# Altium PCB ElectroSketch.PcbDoc
Units mil, origin at the board's own origin, x right, y up, seen from the top; angles counter-clockwise.
Board outline 3937.01 x 2440.95 mil, 2 copper layers (Top Layer, Bottom Layer), stack 65.792 mil thick; 19 components, 24 nets, 101 pads, 20 vias.
Unrouted connection lines stored in the file: 1.
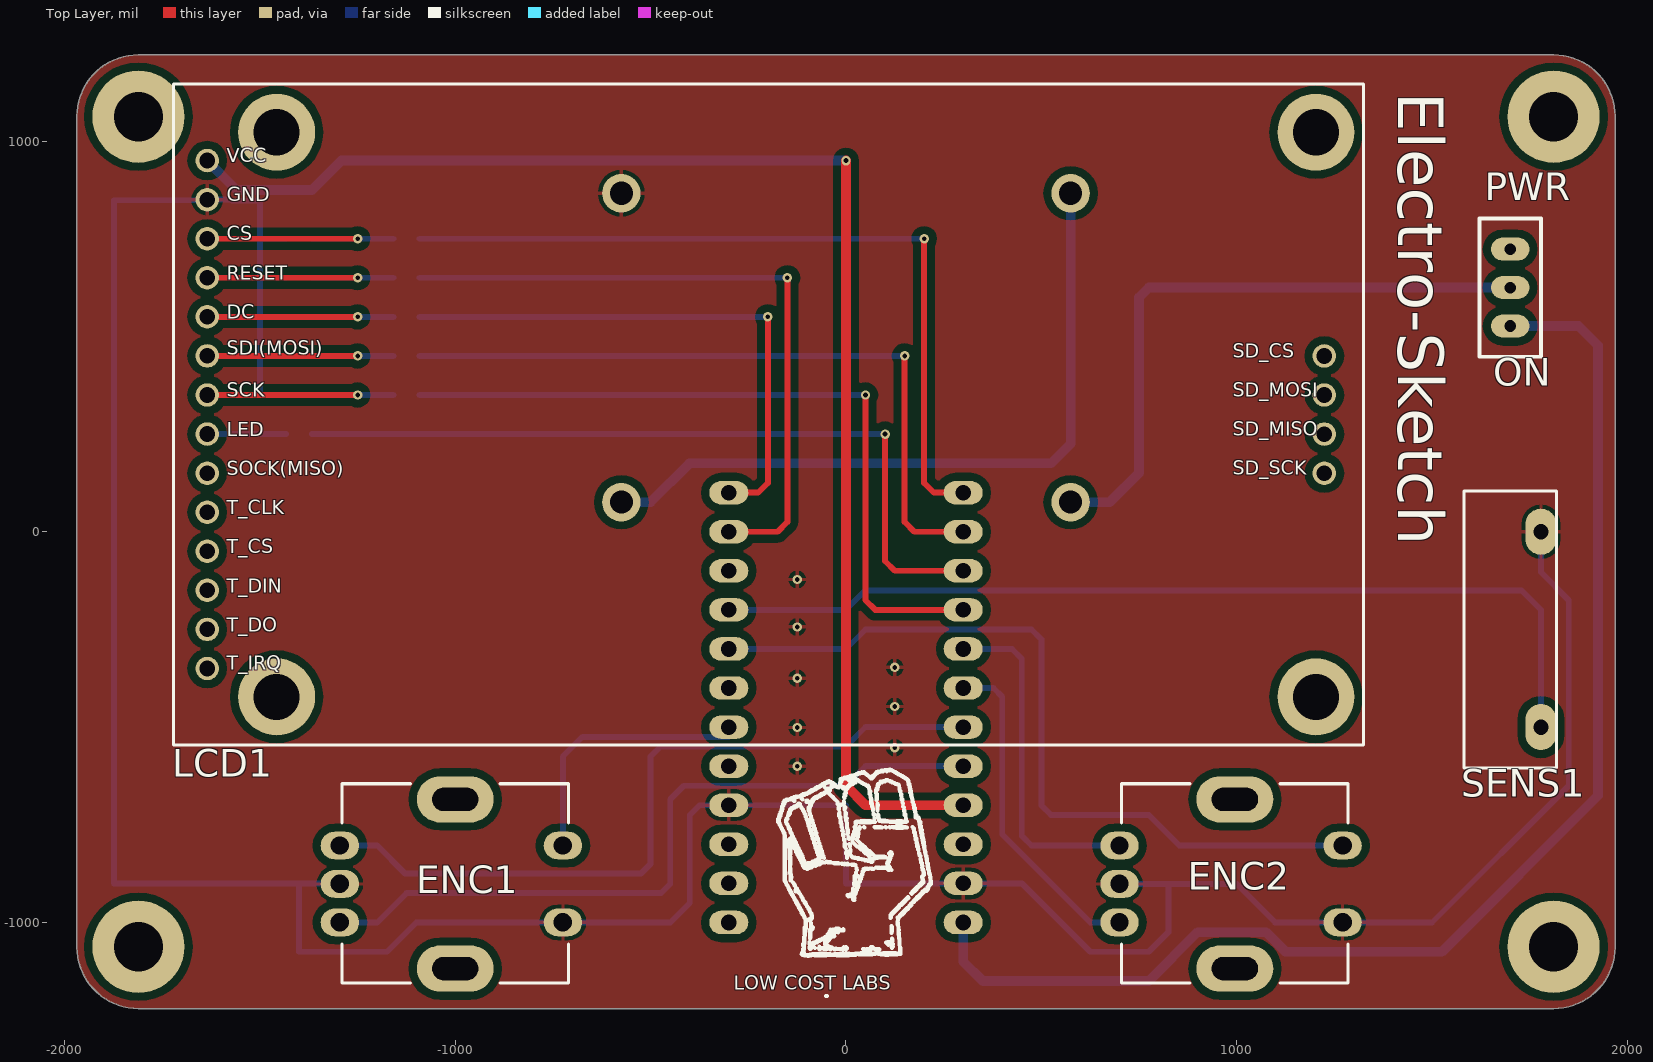
[diagram p0: Top Layer view]
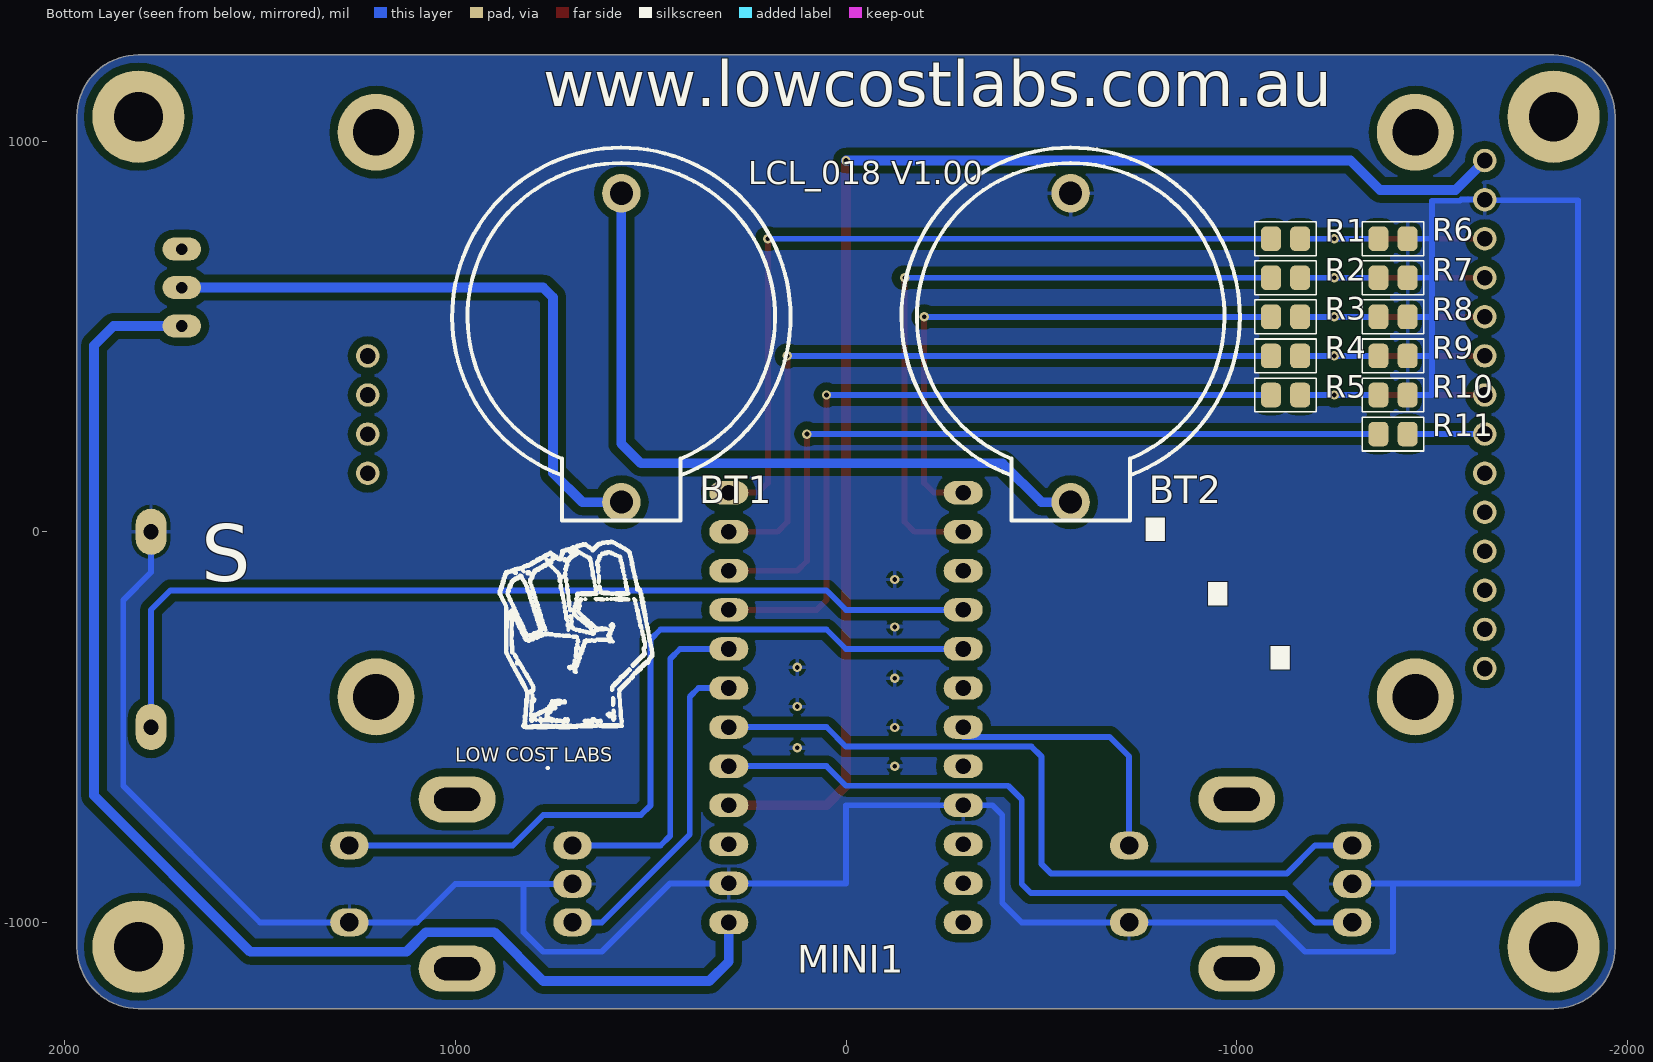
[diagram p1: Bottom Layer view, seen from below]
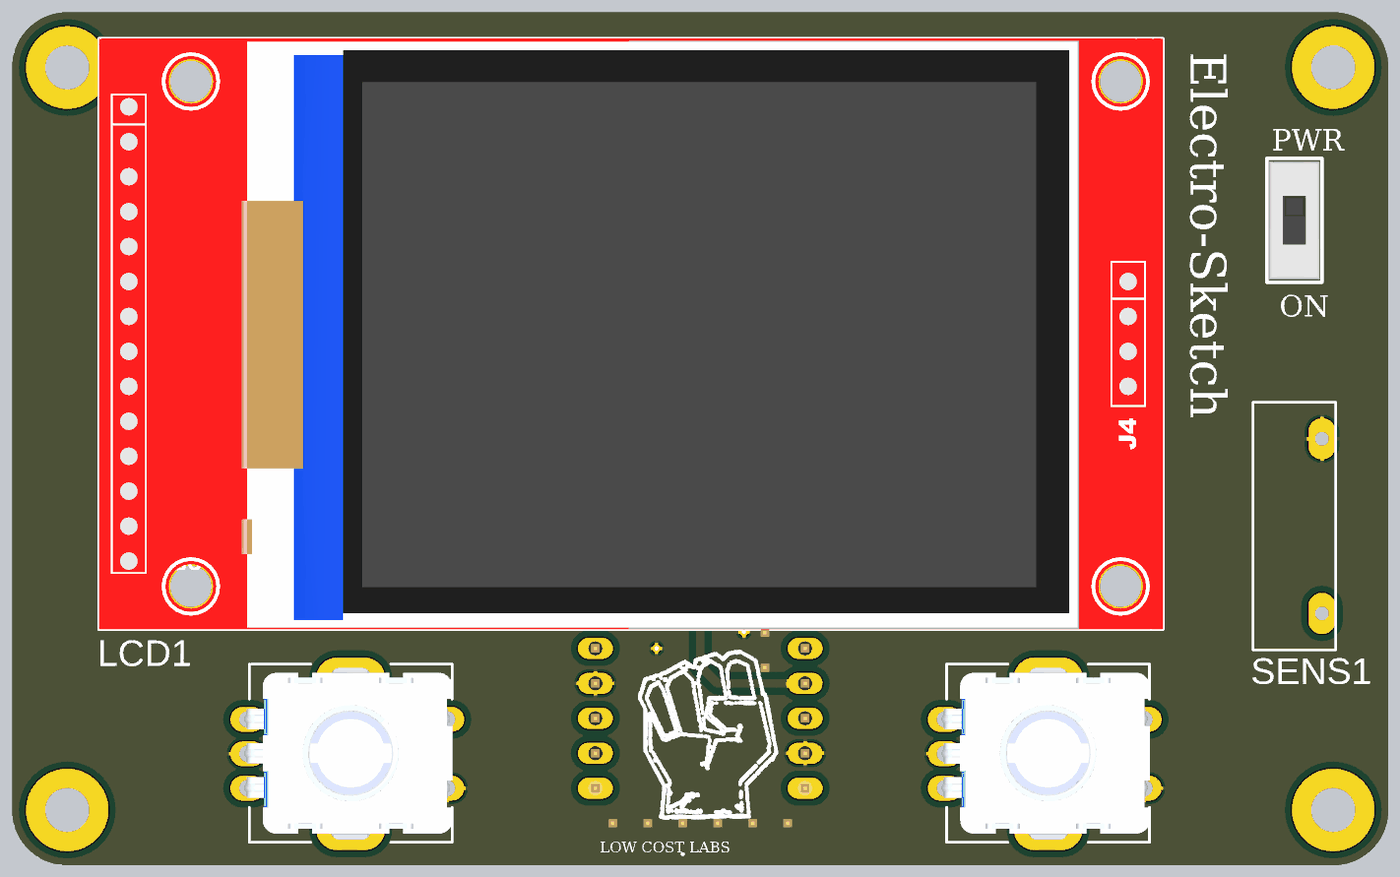
[diagram p2: 3D render of the assembled board from above, using the file's embedded part models]
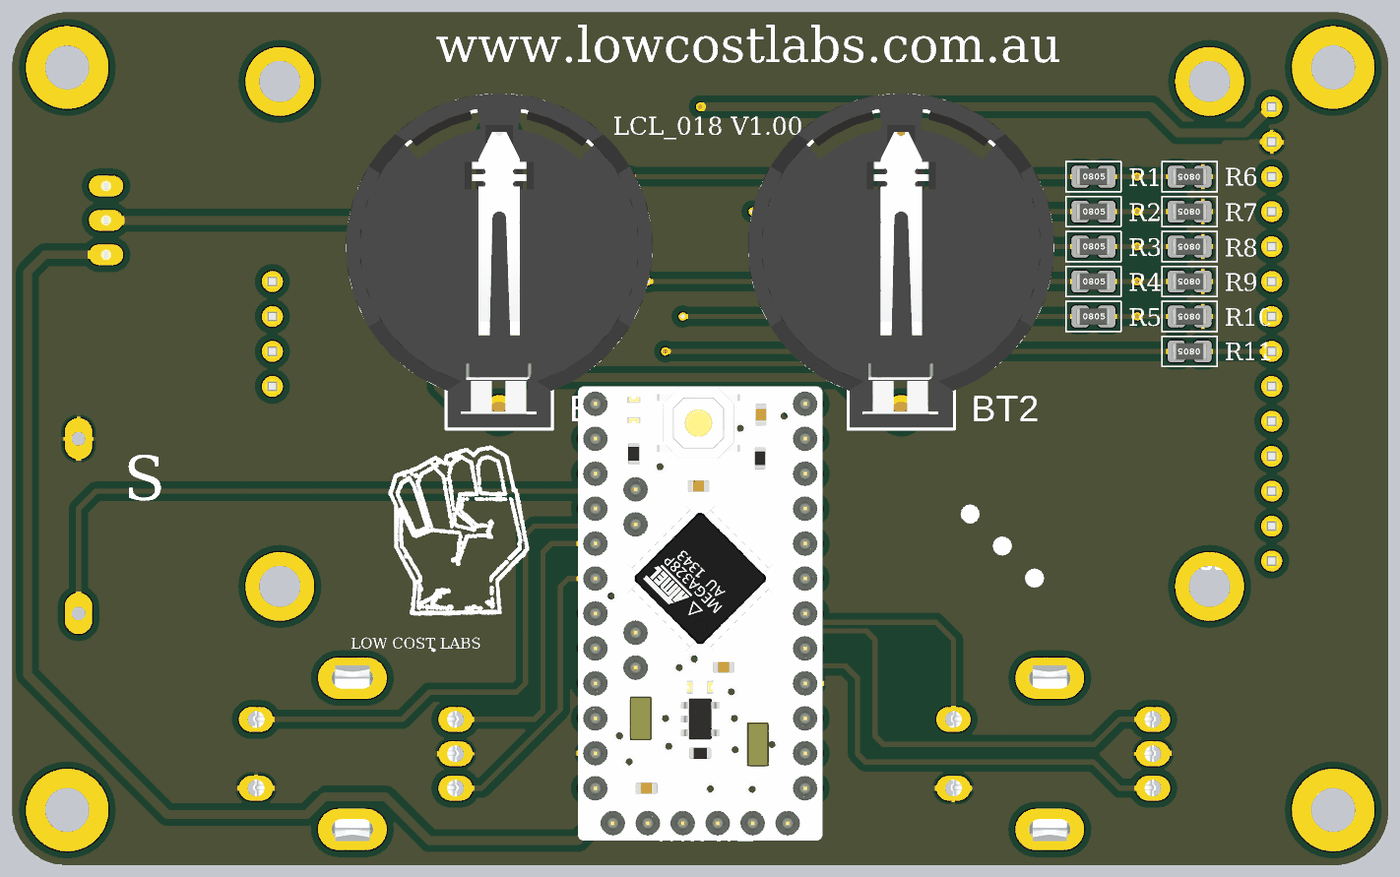
[diagram p3: 3D render of the assembled board from below, using the file's embedded part models]

## Layer stack, top to bottom
Top Solder: solder mask 0.4, Solder Resist, Dk 3.5
Top Layer: signal copper 1.4
Dielectric 1: dielectric 62.9921, FR-4, Dk 4.8
Bottom Layer: signal copper 1.4
Bottom Solder: solder mask 0.4, Solder Resist, Dk 3.5

## Board outline
-1968.5,-1062.99 -1968.5,1062.99 cw(c-1811.02,1062.99) -1811.02,1220.47 1811.02,1220.47 cw(c1811.02,1062.99) 1968.5,1062.99 1968.5,-1062.99 cw(c1811.02,-1062.99) 1811.02,-1220.47 -1811.02,-1220.47 cw(c-1811.02,-1062.99)

## Design rules (kind name [scope] priority, off if disabled: settings)
Clearance Poly_GND [inPolygon vs not innet (gnd)] p1: gap=20
Clearance [All] p2: gap=8
HoleSize [All] p1 off: absolutevalues=TRUE maxlimit=100 minlimit=1 maxpercent=80.000 minpercent=20.000
HoleSize Testpoint [All] p2 off: absolutevalues=TRUE maxlimit=100 minlimit=1 maxpercent=80.000 minpercent=20.000
HoleSize TestPointUsage [All] p3 off: absolutevalues=TRUE maxlimit=100 minlimit=1 maxpercent=80.000 minpercent=20.000
HoleToHoleClearance [All] p1 off: gap=10 allowstackedmicrovias=TRUE
LayerPairs [All] p1 off: enforce=TRUE
MinimumSolderMaskSliver [All] p1 off: minsoldermaskwidth=10
MinimumSolderMaskSliver SilkscreenOverComponentPads [All] p2 off: minsoldermaskwidth=10
NetAntennae [All] p1 off: netantennaetolerance=0
PolygonConnect [All] p1: connectstyle=Relief reliefconductorwidth=10 reliefentries=4 polygonreliefangle="90 Angle" airgapwidth=10
RoutingVias [All] p1: holewidth=12 width=24 viastyle="Through Hole" minholewidth=12 minwidth=24 maxholewidth=28 maxwidth=50
SilkToSilkClearance [All] p1 off: silktosilkclearance=10
SilkToSolderMaskClearance [IsPad] p1 off: minsilkscreentomaskgap=10 clearancetoexposedcopper=TRUE
SolderMaskExpansion [All] p1: expansion=4
Width Standard [All] p1: maxlimit=25 minlimit=8 preferedwidth=8
Width Power [inNet('VIN')] p2: maxlimit=100 minlimit=8 preferedwidth=25
23 further rules are at their usual default settings.

## Components (designator, comment, footprint, x,y, rotation, side; value= is the part's Value field where it differs from the comment)
BT1 "CR2032" "CR2032 HOLDER" 575,550 r270 bottom
BT2 "CR2032" "CR2032 HOLDER" -575,550 r270 bottom
ENC1 "EC11 ENCODER" "EC11 ENCODER" -1000,-900 r180 top
ENC2 "EC11 ENCODER" "EC11 ENCODER" 995.28,-900 r180 top
LCD1 "2.4 TFT 240X320" "2.4\" TFT LCD" -260,275 r0 top
MINI1 "ARDUINO PRO MINI" "ARDUINO PRO MINI" 0,-450 r180 bottom
PWR "SS12D00G3" SS12D00G3 1700,624.99 r270 top
R1 "2k2" "RESISTOR 0805" -1125,750 r180 bottom (schematic designator R5)
R2 "2k2" "RESISTOR 0805" -1125,650 r180 bottom (schematic designator R5)
R3 "2k2" "RESISTOR 0805" -1125,550 r180 bottom (schematic designator R5)
R4 "2k2" "RESISTOR 0805" -1125,450 r180 bottom (schematic designator R5)
R5 "2k2" "RESISTOR 0805" -1125,349.93 r180 bottom
R6 "3k3" "RESISTOR 0805" -1400,750 r0 bottom (schematic designator R5)
R7 "3k3" "RESISTOR 0805" -1400,650 r0 bottom (schematic designator R5)
R8 "3k3" "RESISTOR 0805" -1400,550 r0 bottom (schematic designator R5)
R9 "3k3" "RESISTOR 0805" -1400,450 r0 bottom (schematic designator R5)
R10 "3k3" "RESISTOR 0805" -1400,350 r0 bottom (schematic designator R5)
R11 "10R" "RESISTOR 0805" -1400,249.93 r0 bottom (schematic designator R5)
SENS1 "SHAKE SENSOR" "SHAKE SENSOR" 1700,-250 r270 top

## Footprints (in the part's own frame and the unit in brackets; to place one, negate y for a bottom-side part, rotate by r counter-clockwise, add the part's x,y. Pads: shape width x height; smd on the part's side, far side on the other; paste and mask are expansions set on the pad)
"2.4\" TFT LCD" [mil]
  round 60 hole 40: 1(-1375,675) 2(-1375,575) 3(-1375,475) 4(-1375,375) 5(-1375,275) 6(-1375,175) 7(-1375,75) 8(-1375,-25) 9(-1375,-125) 10(-1375,-225) 11(-1375,-325) 12(-1375,-425) 13(-1375,-525) 14(-1375,-625) 15(1484.21,174.93) 16(1484.21,74.93) 17(1484.21,-25.07) 18(1484.21,-125.07)
  round 196.85 hole 118.11 unplated: MOUNT(-1197.29,-697.56) MOUNT(-1197.29,747.43) MOUNT(1462.71,-697.56) MOUNT(1462.71,747.43)
  silkscreen extent -1461,-821 1584,870, body extent -1461,-821 1584,870, height 368
"ARDUINO PRO MINI" [mil]
  oval 100x60 hole 40: 1(300,-550) 2(300,-450) 3(300,-350) 4(300,-250) 5(300,-150) 6(300,-50) 7(300,50) 8(300,150) 9(300,250) 10(300,350) 11(300,450) 12(300,550) 13(-300,550) 14(-300,450) 15(-300,350) 16(-300,250) 17(-300,150) 18(-300,50) 19(-300,-50) 20(-300,-150) 21(-300,-250) 22(-300,-350) 23(-300,-450) 24(-300,-550)
  body extent -350,-700 350,600, height 239
"CR2032 HOLDER" [mm]
  round 2.5 hole 1.5: 1(12.05,0) 2(-8.035,0)
  silkscreen extent -11,-11 13.25,11, body extent -11.15,-11.15 13.15,11.15, height 8.5
"EC11 ENCODER" [mm] "EC11 ROTARY ENCODER"
  oval 2.5x1.8 hole 1.2: 1(7.5,-2.461) 2(7.5,0.039) 3(7.5,2.539) 4(-7,2.539) 5(-7,-2.461)
  oval 5x3 hole 1.5 slot 3 at 0 deg: MOUNT(0,5.539) MOUNT(0,-5.461)
  silkscreen extent -7.37,-6.48 7.37,6.48, body extent -7.4,-6.55 7.73,6.55, height 31.73
"RESISTOR 0805" [mm]
  rrect50% 1.3x1.6 smd: 1(-0.95,0) 2(0.95,0)
  silkscreen extent -2,-1.1 2,1.1, body extent -1.25,-0.62 1.25,0.62, height 0.8
"SHAKE SENSOR" [mm]
  oval 3x2 hole 1: 1(-6.35,2) 2(6.35,2)
  silkscreen extent -9,-3 9,3, body extent -9,-3 9,3, height 6
SS12D00G3 [mm] "SS12D00G3 TOGGLE SWITCH"
  oval 1.5x2.5 hole 0.75: 1(-2.5,0) 2(0,0) 3(2.5,0)
  silkscreen extent -4.5,-2 4.5,2, body extent -4.29,-1.85 4.29,1.85, height 6.97

## Part data
BT1 BT2: library part Battery, "Multicell Battery"
ENC1 ENC2: "EC11 ROTARY ENCODER WITH PUSH BUTTON"
PWR: library part "SS12D00G3 Toggle Switch", "SS12D00G3 Toggle Switch"
R1 R2 R3 R4 R5 R6 R7 R8 R9 R10 R11: library part CMP-iaxfckaaxq3jb0c9euu5-1, "RESISITOR THROUGH HOLE 1/4W"

## Free pads (board coordinates)
  round 10 on Mech16: 1(5082.1,-3582.94) 1(5082.1,-3582.94) 1(5082.62,-3660.05) 1(5082.62,-3660.05) 1(5269.4,-3515.17) 1(5269.4,-3515.17)
  round 236.22 hole 125.98: MOUNT(-1811.02,-1062.4) MOUNT(-1811.02,1062.4) MOUNT(1811.02,-1062.4) MOUNT(1811.02,1062.4)

## Via types
v1: diameter 24, hole 12, Top Layer to Bottom Layer, 20 vias

## Nets (pads, with @x,y where several pads share a name; then routed paths per layer and width w, separated by ;. In a path a pad name is that pad's centre, name@x,y a point inside that pad or via, vN(x,y) a via of type N, cw(c..) or ccw(c..) an arc to the next point about the centre after c; other vN are vias at no path point)
CS: MINI1.13 R1.1 | length 2026.9
  Top Layer w15: v1(200,750) 200,125 225,100 MINI1.13
  Bottom Layer w15: R1.1@-1091.54,750 v1(200,750)
DC/RS: MINI1.12 R3.1 | length 1426.9
  Top Layer w15: MINI1.12 -225,100 -200,125 v1(-200,550)
  Bottom Layer w15: R3.1@-1091.54,550 v1(-200,550)
EN1_A: ENC1.1 MINI1.19 | length 1941.5
  Bottom Layer w15: ENC1.1 -1200,-803.11 -1128.11,-875 -525,-875 -500,-850 -500,-575 -475,-550 0,-550 50,-500 MINI1.19
EN1_B: ENC1.3 MINI1.20 | length 1887.8
  Bottom Layer w15: ENC1.3 -1200,-999.97 -1125.03,-925 -473.46,-925 -450,-901.54 -450,-685 -415,-650 0,-650 50,-600 MINI1.20
EN2_A: ENC2.1 MINI1.17 | length 873.8
  Bottom Layer w15: MINI1.17 425,-300 450,-325 450,-778.11 475,-803.11 ENC2.1
EN2_B: ENC2.3 MINI1.18 | length 854.9
  Bottom Layer w15: MINI1.18 377.44,-400 400,-422.56 400,-774.97 625,-999.97 ENC2.3
GND: BT2.2 ENC1.2 ENC1.4 ENC2.2 ENC2.4 LCD1.2 MINI1.4 MINI1.23 R6.1 R7.1 R8.1 R9.1 R10.1 SENS1.1 | length 8651
  Bottom Layer w15: -1499.87,450 R9.1@-1433.46,450 ; R10.1@-1433.46,350 -1499.93,350 -1499.93,550 ; R8.1@-1433.46,550 -1499.93,550 ; R7.1@-1433.46,650 -1499.93,650 ; R6.1@-1433.46,750 -1499.93,750 ; ENC1.2 -1296.82,-900 -1400,-900 ; ENC2.2 825,-901.54 ; SENS1.1 1778.74,-103.74 1850,-175 1850,-650 1500.03,-999.97 ENC2.4 1098.43,-999.97 1000,-901.54 825,-901.54 ; -1499.93,550 -1499.93,650 ; -1499.93,650 -1499.93,750 ; -1499.93,750 -1499.93,846.93 -1500,847 -1571.6,847 -1574.6,850 LCD1.2 -1636.54,848.46 -1873.46,848.46 -1873.46,-900 -1400,-900 ; -1400,-900 -1400,-1075 -1175.03,-1075 -1100,-999.97 ENC1.4 -450,-999.97 -400,-949.97 -400,-725 -375,-700 MINI1.4 0,-700 0,-900 MINI1.23 450,-900 625,-1075 775,-1075 825,-1025 825,-901.54
  other v1: -125,-600 125,-552.83 -125,-500.98 125,-447.29 -125,-375 125,-347.29 -125,-243.67 -125,-122.26
LCD_LED: MINI1.15 R11.2 | length 2001.8
  Top Layer w15: v1(100,249.93) 100,-75 125,-100 MINI1.15
  Bottom Layer w15: R11.2@-1366.54,249.93 v1(100,249.93)
LCD_RESET: MINI1.11 R2.1 | length 1726.9
  Top Layer w15: MINI1.11 -175,0 -150,25 v1(-150,650)
  Bottom Layer w15: R2.1@-1091.54,650 v1(-150,650)
NetBT1_1: BT1.1 PWR.2 | length 1615.8
  Bottom Layer w25: BT1.1 675,75.59 750,150.59 750,600 775,625 PWR.2
NetBT1_2: BT1.2 BT2.1 | length 1853.2
  Bottom Layer w25: BT2.1 -500,75.59 -400.59,175 525,175 575,225 BT1.2
NetLCD1_3: LCD1.3 R1.2 R6.2 | length 593.1
  Top Layer w15: LCD1.3 v1(-1250,750)
  Bottom Layer w15: R6.2@-1366.54,750 v1(-1250,750) R1.2@-1158.46,750
NetLCD1_4: LCD1.4 R2.2 R7.2 | length 593.1
  Top Layer w15: LCD1.4 v1(-1250,650)
  Bottom Layer w15: R7.2@-1366.54,650 v1(-1250,650) R2.2@-1158.46,650
NetLCD1_5: LCD1.5 R3.2 R8.2 | length 593.1
  Top Layer w15: LCD1.5 v1(-1250,550)
  Bottom Layer w15: R8.2@-1366.54,550 v1(-1250,550) R3.2@-1158.46,550
NetLCD1_6: LCD1.6 R4.2 R9.2 | length 593.1
  Top Layer w15: LCD1.6 v1(-1250,450)
  Bottom Layer w15: R9.2@-1366.54,450 v1(-1250,450) R4.2@-1158.46,450
NetLCD1_7: LCD1.7 R5.2 R10.2 | length 593.1
  Top Layer w15: LCD1.7 v1(-1250,350)
  Bottom Layer w15: R10.2@-1366.54,350 v1(-1250,350) R5.2@-1158.46,350
NetLCD1_8: LCD1.8 R11.1 | length 201.6
  Bottom Layer w15: LCD1.8 -1634.93,249.93 R11.1@-1433.46,249.93
SCK: MINI1.16 R5.1 | length 1926.8
  Top Layer w15: v1(50,349.93) 50,-175 75,-200 MINI1.16
  Bottom Layer w15: R5.1@-1091.54,349.93 v1(50,349.93)
SDI: MINI1.14 R4.1 | length 1826.9
  Top Layer w15: v1(150,450) 150,25 175,0 MINI1.14
  Bottom Layer w15: R4.1@-1091.54,450 v1(150,450)
SHAKE: MINI1.9 SENS1.2 | length 2420.2
  Bottom Layer w15: MINI1.9 0,-200 50,-150 1728.74,-150 1778.74,-200 SENS1.2
SW1: ENC1.5 MINI1.7 | length 673.2
  Bottom Layer w15: ENC1.5 -724.41,-575 -674.41,-525 -300,-525
SW2: ENC2.5 MINI1.8 | length 2069.6
  Bottom Layer w15: MINI1.8 0,-300 50,-250 475,-250 500,-275 500,-700 525,-725 775,-725 853.11,-803.11 ENC2.5
VBAT: MINI1.24 PWR.3 | length 3381.2
  Bottom Layer w25: MINI1.24 300,-1100 350,-1150 775,-1150 900,-1025 1075,-1025 1125,-1075 1525,-1075 1925,-675 1925,476.57 1875,526.57 PWR.3
VCC: LCD1.1 MINI1.21 | length 3617.8
  Top Layer w25: v1(0,950) 0,-650 50,-700 MINI1.21
  Bottom Layer w25: LCD1.1 -1560,875 -1366.54,875 -1291.54,950 v1(0,950)
pads on no net: ENC1.MOUNT ENC2.MOUNT LCD1.9 LCD1.10 LCD1.11 LCD1.12 LCD1.13 LCD1.14 LCD1.15 LCD1.16 LCD1.17 LCD1.18 LCD1.MOUNT MINI1.1 MINI1.2 MINI1.3 MINI1.5 MINI1.6 MINI1.10 MINI1.22 PWR.1

## Polygon pours and split planes (outlines as drawn)
GND on Top Layer "TOP GND" (solid, remove dead copper, pour order 0): -1968.5,-1062.99 -1968.5,1062.99 cw(c-1811.02,1062.99) -1811.02,1220.47 1811.02,1220.47 cw(c1811.02,1062.99) 1968.5,1062.99 1968.5,-1062.99 cw(c1811.02,-1062.99) 1811.02,-1220.47 -1811.02,-1220.47 cw(c-1811.02,-1062.99)
GND on Bottom Layer "BOTTOM GND" (solid, remove dead copper, pour order 1): -1968.5,-1062.99 -1968.5,1062.99 cw(c-1811.02,1062.99) -1811.02,1220.47 1811.02,1220.47 cw(c1811.02,1062.99) 1968.5,1062.99 1968.5,-1062.99 cw(c1811.02,-1062.99) 1811.02,-1220.47 -1811.02,-1220.47 cw(c-1811.02,-1062.99)

## Silkscreen, mask and mechanical layers (free items; w line width, h text height)
Top Overlay:
  drawing of 3736 lines, arcs and shapes, not listed
  text "Electro-Sketch" at 1375,1125 h200 r270
  text "ON" at 1656.84,349.99 h120
  text "LOW COST LABS" at -286.98,-1183.74 h60
Bottom Overlay:
  drawing of 3736 lines, arcs and shapes, not listed
  text "www.lowcostlabs.com.au" at 775,1050 h200
  text "LCL_018 V1.00" at 250,870.17 h100
  text "S" at 1650,-175 h250
  text "⋱" at -711.54,-422.56 h600
  text "LOW COST LABS" at 1000,-600 h60
Mechanical 1:
  the board outline again, w3.94
Mechanical 32:
  drawing of 655 lines, arcs and shapes, not listed
  text "1" at -4645.67,3996.06 h100
  text "2" at -1377.95,3996.06 h100
  text "3" at 1574.8,3996.06 h100
  text "4" at 4389.76,3996.06 h100
  text "A" at -5767.72,3090.55 h100
  text "A" at 5728.35,3090.55 h100
  text "B" at -5787.4,1003.94 h100
  text "B" at 5708.66,1003.94 h100
  text "C" at -5767.72,-1122.05 h100
  text "C" at 5728.35,-1122.05 h100
  text "D" at -5767.72,-3248.03 h100
  text "D" at 5728.35,-3248.03 h100
  text "LOW COST LABS" at 2696.85,-3307.09 h100
  text "TITLE: Electro-Sketch" at 1377.95,-3523.62 h100
  text "ludzinc.blogspot.com.au" at 3725,-3550 h100
  text "SIZE: A4" at 1377.95,-3700.79 h100
  text "Number: LCL_018" at 2204.72,-3700.79 h100
  text "Revison 1.00" at 2992.13,-3700.79 h100
  text "www.lowcostlabs.com.au" at 3740.16,-3700.79 h100
  text "DATE:" at 1377.95,-3818.9 h100
  text ".Print_Date" at 1614.17,-3818.9 h100
  text "SHEET 1 of 1" at 2992.13,-3818.9 h100
  text "FILE:" at 1377.95,-3917.32 h100
  text ".Pcb_File_Name" at 1614.17,-3917.32 h100
  text "S" at -5649.61,-3937.01 h100
  text "1" at -4645.67,-4055.12 h100
  text "2" at -1377.95,-4055.12 h100
  text "3" at 1574.8,-4055.12 h100
  text "4" at 4389.76,-4055.12 h100

## Text inside footprints (layer, text, board x,y; h text height)
LCD1: Top Overlay "T_IRQ" at -1585,-364.35 h60; Top Overlay "T_DO" at -1585,-267.28 h60; Top Overlay "T_DIN" at -1585,-167.17 h60; Top Overlay "T_CS" at -1585,-67.05 h60; Top Overlay "T_CLK" at -1585,33.07 h60; Top Overlay "SOCK(MISO)" at -1585,133.19 h60; Top Overlay "LED" at -1585,232.86 h60; Top Overlay "SCK" at -1585,333.42 h60; Top Overlay "SDI(MOSI)" at -1585,440.87 h60; Top Overlay "DC" at -1585,533.66 h60; Top Overlay "RESET" at -1585,633.77 h60; Top Overlay "CS" at -1585,733.89 h60; Top Overlay "GND" at -1585,834.01 h60; Top Overlay "VCC" at -1585,934.13 h60; Top Overlay "SD_CS" at 990,434.06 h60; Top Overlay "SD_MOSI" at 990,334.06 h60; Top Overlay "SD_MISO" at 990,234.06 h60; Top Overlay "SD_SCK" at 990,134.06 h60